# Altium PCB Velotour_2022_V1.0.PcbDoc (part 2 of 3)
Units mil, origin at the board's own origin, x right, y up, seen from the top; angles counter-clockwise.
Board outline 6692.91 x 4763.78 mil, 2 copper layers (Top Layer, Bottom Layer), stack 60.932 mil thick; 156 components, 71 nets, 485 pads, 733 vias.
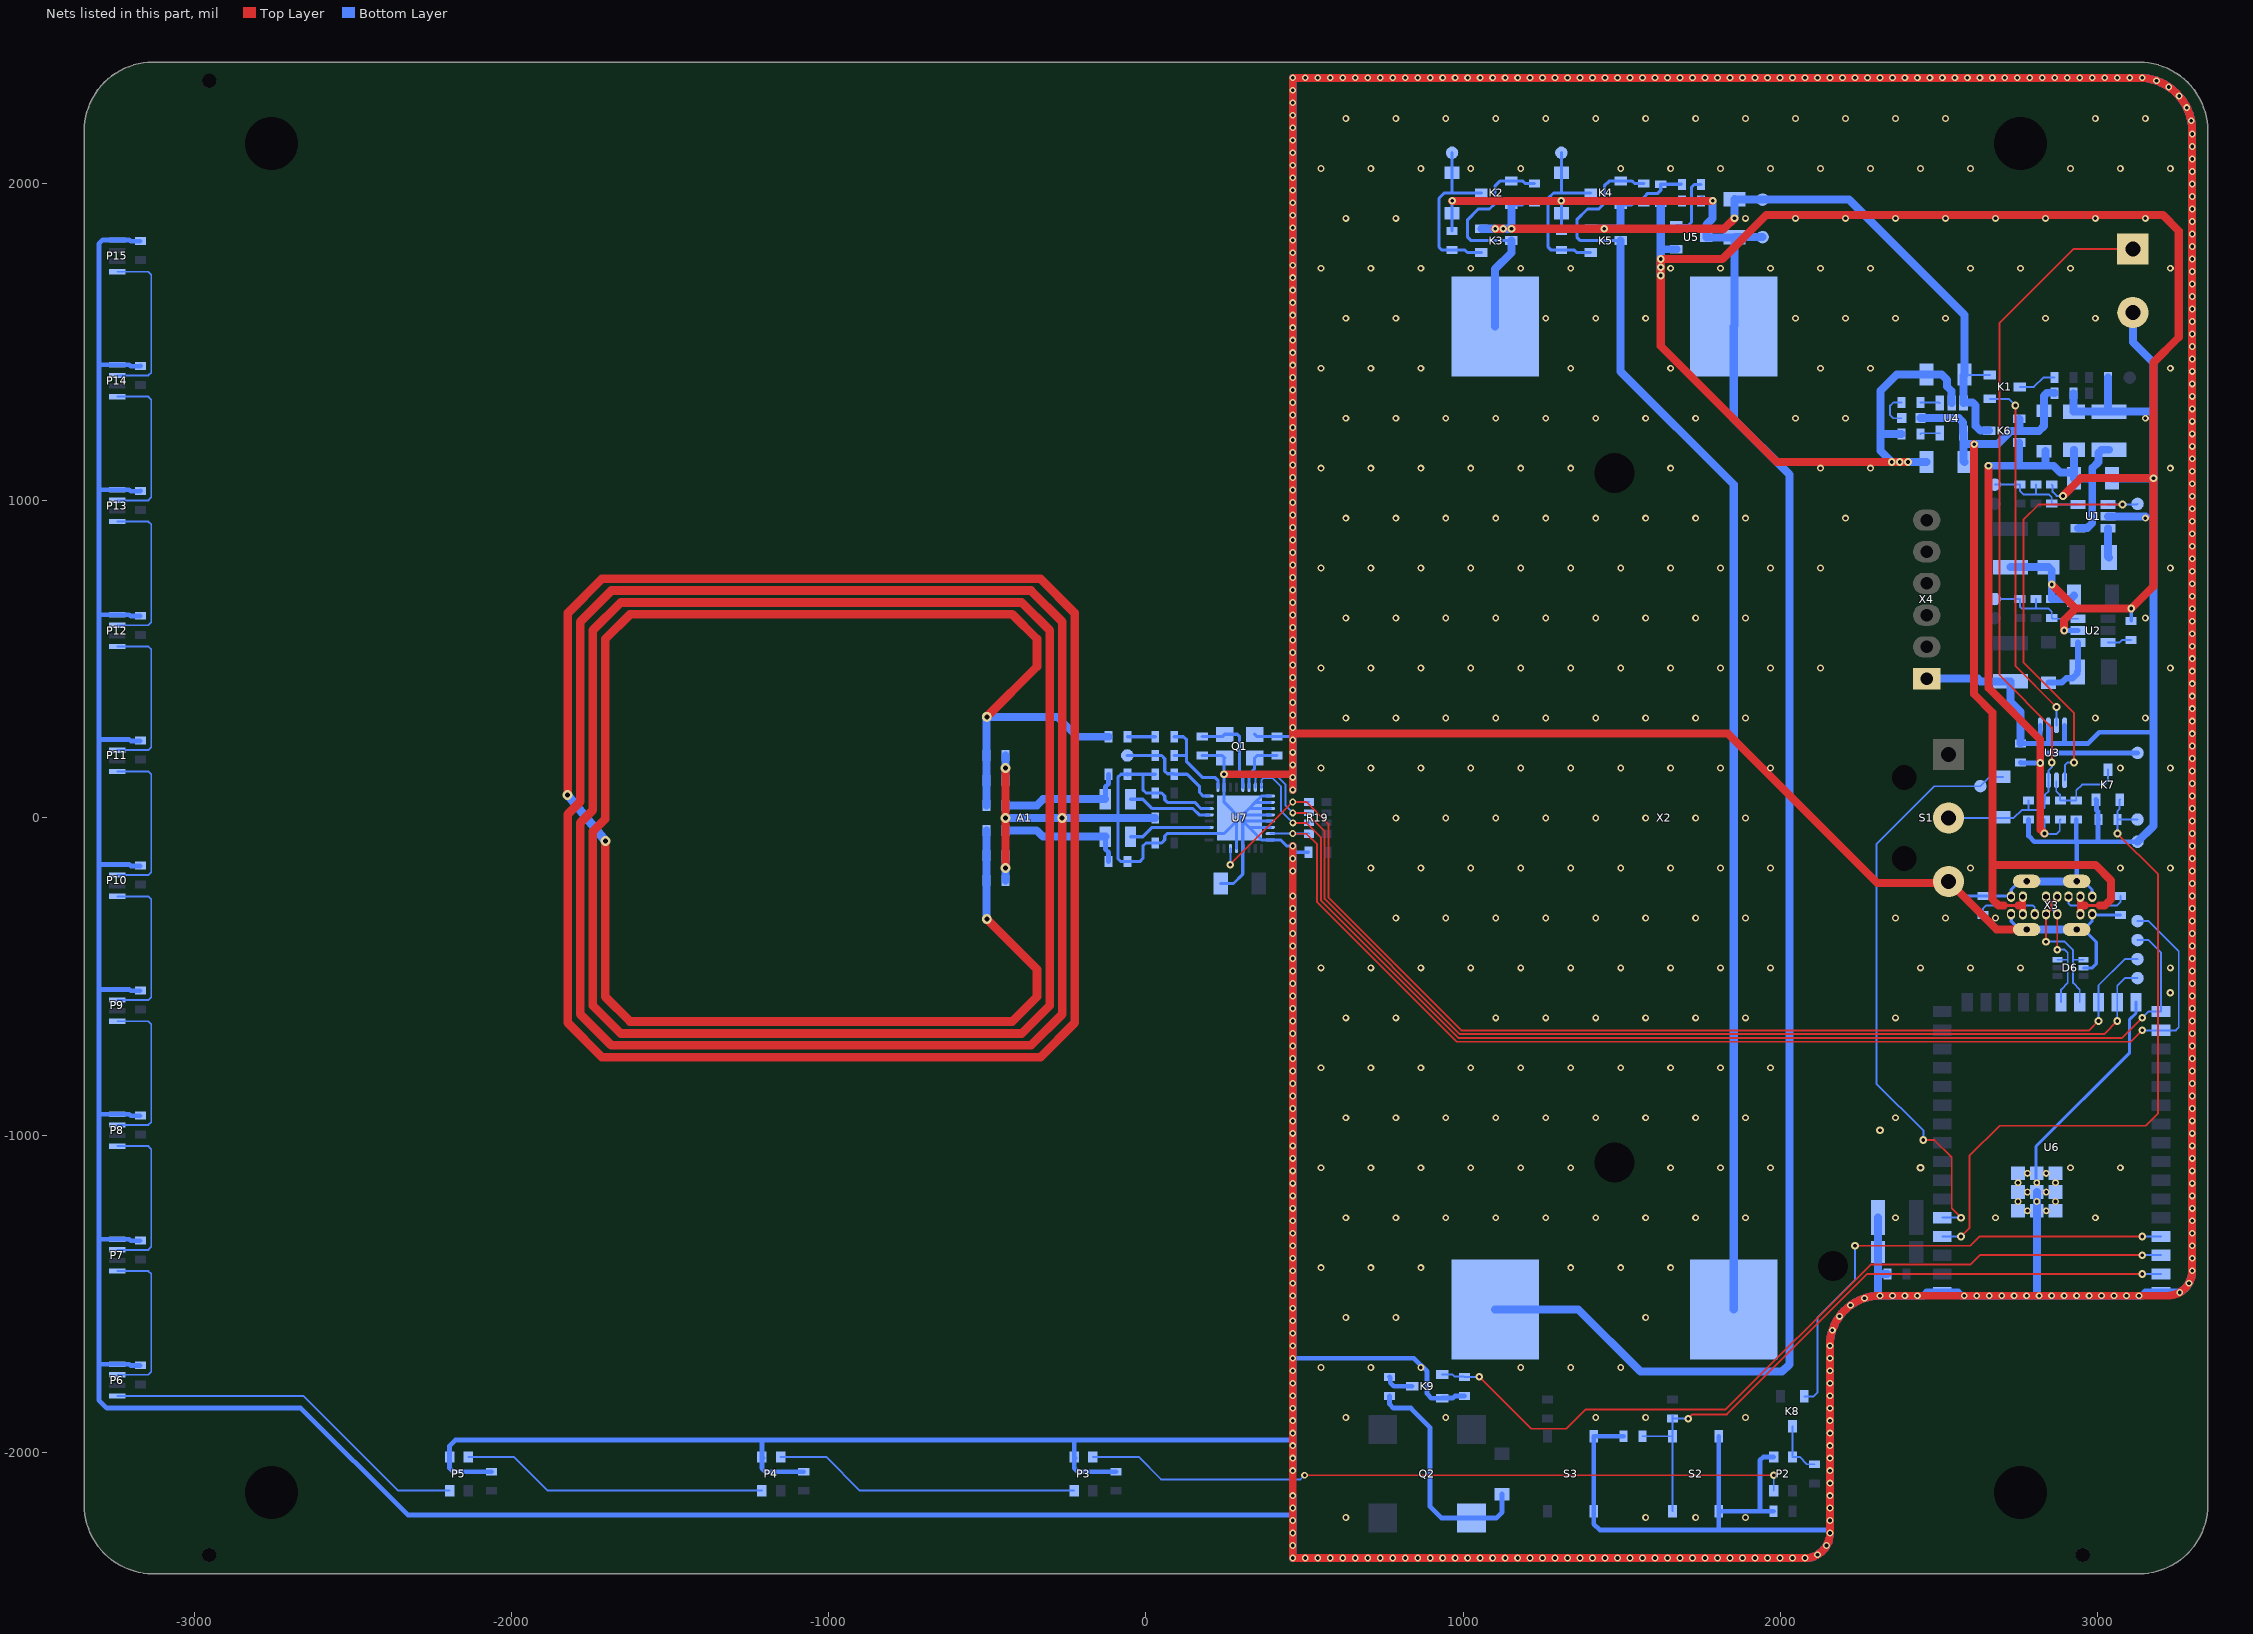
[diagram p2: the nets of this part, all layers, seen from the top]

## Via types
v1: diameter 21.65, hole 11.81, Top Layer to Bottom Layer, tented both sides, 655 vias
v2: diameter 24.41, hole 11.81, Top Layer to Bottom Layer, tented both sides, 73 vias
v3: diameter 31.5, hole 15.75, Top Layer to Bottom Layer, tented both sides, 5 vias

## Nets (pads, with @x,y where several pads share a name; then routed paths per layer and width w, separated by ;. In a path a pad name is that pad's centre, name@x,y a point inside that pad or via, vN(x,y) a via of type N, cw(c..) or ccw(c..) an arc to the next point about the centre after c; other vN are vias at no path point) (continued)
GND: A1.3 C3.1 C4.M C5.1 C6.M C7.1 C8.1 C9.1 C10.1 C11.1 C13.1 C14.1 C15.1 C17.1 C18.M C19.M C20.1 C21.1 C22.1 C23.1 C25.2 C26.2 C27.2 C28.1 C29.1 C30.1 C33.1 C34.1 C35.2 C36.2 C37.1 C38.1 C39.1 C40.1 C41.1 C42.1 C43.1 C44.1 C45.1 C46.1 C47.1 C48.1 C49.1 C50.1 C51.1 C52.1 C53.1 D6.2 K7.S K9.S P2.1 P3.1 P4.1 P5.1 P6.4 P7.4 P8.4 P9.4 P10.4 P11.4 P12.4 P13.4 P14.4 P15.4 Q1.3 R5.1 R6.2 R7.1 R13.1 R16.1 R17.1 R18.1 R24.2 R25.2 R28.1 S1.2 S2.2 S3.2 TP6.1 U1.2 U2.2 U3.1 U3.2 U3.4 U4.2 U5.1 U6.1 U6.26 U6.42 U6.43 U7.4 U7.5 U7.10 U7.14 U7.18 U7.25 U7.26 U7.27 U7.28 U7.29 U7.30 U7.32 U7.PAD X1.2 X3.A1 X3.A12 X3.B1 X3.B12 X3.G1 X3.G2 X3.G3 X3.G4 X4.1 | length 62929.7
  Top Layer w25: v3(-442.44,-157.48) v3(-442.44,157.48) ; v2(246.06,137.8) v1@460,137.8 ; v1(462.6,-88.58) v1(462.6,-127.95) v1(462.6,-167.32) v1(462.6,-246.06) v1(462.6,-285.43) v1(462.6,-324.8) v1(462.6,-364.17) v1(462.6,-403.54) v1(462.6,-442.91) v1(462.6,-482.28) v1(462.6,-521.65) v1(462.6,-561.02) v1(462.6,-600.39) v1(462.6,-639.76) v1(462.6,-679.13) v1(462.6,-718.5) v1(462.6,-757.87) v1(462.6,-797.24) v1(462.6,-836.61) v1(462.6,-875.98) v1(462.6,-915.35) v1(462.6,-954.72) v1(462.6,-994.09) v1(462.6,-1033.46) v1(462.6,-1072.83) v1(462.6,-1112.2) v1(462.6,-1151.57) v1(462.6,-1190.94) v1(462.6,-1230.31) v1(462.6,-1309.05) v1(462.6,-1427.16) v1(462.6,-1505.91) v1(462.6,-1584.65) v1(462.6,-1663.39) v1(462.6,-1781.5) v1(462.6,-1899.61) v1(462.6,-2017.72) v1(462.6,-2175.2) v1(462.6,-2332.68) v1(541.34,-2332.68) v1(659.45,-2332.68) v1(777.56,-2332.68) v1(935.04,-2332.68) v1(1131.89,-2332.68) v1(1171.26,-2332.68) v1(1289.37,-2332.68) v1(1407.48,-2332.68) v1(1564.96,-2332.68) v1(1761.81,-2332.68) v1(1879.92,-2332.68) v1(1998.03,-2332.68) v1(2076.77,-2332.68) ccw(c2076.77,-2253.94) v1(2155.51,-2253.94) v1(2155.51,-2135.83) v1(2155.51,-2057.09) v1(2155.51,-1938.98) v1(2155.51,-1820.87) v1(2155.51,-1781.5) v1(2155.51,-1663.39) cw(c2312.99,-1663.39) v1(2312.99,-1505.91) v1(2696.85,-1505.91) v1(2775.59,-1505.91) v1(2854.33,-1505.91) v1(3051.18,-1505.91) 3218.5,-1505.91 ccw(c3218.5,-1427.17) v1(3297.24,-1427.17) v1(3297.24,-1348.43) v1(3297.24,-1309.06) v1(3297.24,-1151.56) v1(3297.24,-1072.82) v1(3297.24,-994.08) v1(3297.24,-875.97) v1(3297.24,-718.49) v1(3297.24,-600.39) v1(3297.24,-482.27) v1(3297.24,-285.42) v1(3297.24,-127.95) v1(3297.24,-88.58) v1(3297.24,29.53) v1(3297.24,187.01) v1(3297.24,265.75) v1(3297.24,423.23) v1(3297.24,501.97) v1(3297.24,541.34) v1(3297.24,580.71) v1(3297.24,698.82) v1(3297.24,895.67) v1(3297.24,1013.78) v1(3297.24,1131.89) v1(3297.24,1250) v1(3297.24,1368.11) v1(3297.24,1683.07) v1(3297.24,1801.18) v1(3297.24,1840.55) v1(3297.24,1998.03) v1(3297.24,2076.77) v1(3297.24,2155.51) 3297.24,2165.35 ccw(c3129.92,2165.35) 3129.92,2332.68 v1(3021.65,2332.68) v1(2903.54,2332.68) v1(2785.43,2332.68) v1(2746.06,2332.68) v1(2627.95,2332.68) v1(2509.84,2332.68) v1(2470.47,2332.68) v1(2352.36,2332.68) v1(2234.25,2332.68) v1(2194.88,2332.68) v1(2076.77,2332.68) v1(1958.66,2332.68) v1(1840.55,2332.68) v1(1761.81,2332.68) v1(1643.7,2332.68) v1(1525.59,2332.68) v1(1407.48,2332.68) v1(1368.11,2332.68) v1(1171.26,2332.68) v1(1053.15,2332.68) v1(1013.78,2332.68) v1(974.41,2332.68) v1(777.56,2332.68) v1(698.82,2332.68) v1(580.71,2332.68) v1(462.6,2332.68) v1(462.6,2175.2) v1(462.6,2135.83) v1(462.6,2017.72) v1(462.6,1938.98) v1(462.6,1860.24) v1(462.6,1742.13) v1(462.6,1624.02) v1(462.6,1505.91) v1(462.6,1387.8) v1(462.6,1269.69) v1(462.6,1151.58) v1(462.6,1112.21) v1(462.6,1072.84) v1(462.6,1033.47) v1(462.6,994.1) v1(462.6,954.73) v1(462.6,915.36) v1(462.6,875.99) v1(462.6,836.62) v1(462.6,797.25) v1(462.6,757.88) v1(462.6,718.51) v1(462.6,679.14) v1(462.6,639.77) v1(462.6,600.4) v1(462.6,561.03) v1(462.6,521.66) v1(462.6,482.28) v1(462.6,442.91) v1(462.6,403.54) v1(462.6,364.17) v1(462.6,324.8) v1(462.6,285.43) 462.6,265.75 ; v1(462.6,88.58) v1(462.6,127.95) v1(462.6,167.32) v1(462.6,206.69) v1(462.6,246.06) 462.6,265.75 ; S1.2@2529.53,-200 S1.2@2534.53,-205 ; S1.2@2545,-200 2540,-205 S1.2@2534.53,-205 ; X3.G4@2775.59,-351.57 2681.1,-351.57 S1.2@2534.53,-205 ; v2(2854.72,735.47) 2930.2,660 ; v2(2890,1015) 2945.87,1070.87 v2(3175,1070.87) 3175,730 v2(3105,660) 2930.2,660 ; v2(2893.7,590.55) 2893.7,623.5 2930.2,660 ; 462.6,265.75 1834.25,265.75 2305,-205 S1.2@2534.53,-205
  Top Layer w25.59: v2(2401.57,1122.05) 1987.95,1122.05 1622.44,1487.56 v2(1622.44,1710) v2(1622.44,1735.71) v2(1622.44,1761.42) 1816.42,1761.42 1955,1900 3205,1900 3255,1850 3255,1515 3175,1435 v2(3175,1070.87)
  Bottom Layer w6: R5.1@2854.72,1050.47 2857.51,1047.68 2857.51,1027.49 2870,1015 v2(2890,1015)
  Bottom Layer w9.84: -9.84,137.8 -9.84,88.58 0,78.74 C39.1@29.06,78.74 49.21,78.74 59.06,68.9 59.06,57.09 67.21,48.94 153.82,48.94 173.23,29.53 U7.14@198.82,29.53 ; C34.1@29.06,137.79 C28.1@-58.58,137.8 -78.74,137.8 -88.58,127.95 -88.58,0 -88.58,-127.95 -78.74,-137.8 C25.2@-58.58,-137.8 -19.69,-137.8 -9.84,-127.95 -9.84,-88.58 0,-78.74 C22.1@29.06,-78.74 49.21,-78.74 59.05,-68.9 59.05,-57.09 66.93,-49.21 U7.10@198.82,-49.21 246.06,-49.21 U7.PAD@285.43,-9.84 ; C36.2@177.16,196.38 240.63,196.38 Q1.3@248.03,188.98 246.06,187.01 v2(246.06,137.8) U7.18@246.06,96.46 246.06,49.21 U7.PAD@295.28,0 ; C23.1@235.55,-206.42 275.87,-206.42 305.12,-177.17 U7.4@305.12,-96.46 U7.PAD@305.12,-9.84 ; U7.5@285.43,-96.46 U7.PAD@285.43,-9.84 ; Q1.3@342.52,263.78 349.92,256.38 C35.2@413.39,256.38 456.22,256.38 ; U7.30@391.73,-29.53 U7.PAD@324.8,-29.53 ; U7.29@391.73,-9.84 314.96,-9.84 U7.PAD@300.2,4.92 ; U7.28@391.73,9.84 U7.PAD@305.12,9.84 ; U7.27@391.73,29.53 U7.PAD@324.8,29.53 ; U7.26@391.73,49.21 U7.PAD@344.49,49.21 ; U7.25@391.73,68.9 364.17,68.9 U7.PAD@344.49,49.21 ; 462.6,-107.99 C38.1@511.62,-107.99 ; v1(462.6,-88.58) 443.58,-88.58 423.9,-68.9 U7.32@391.73,-68.9 364.17,-68.9 U7.PAD@324.8,-29.53 ; U7.PAD@285.43,-9.84 U7.PAD@295.28,0 ; U7.PAD@295.28,0 U7.PAD@305.12,-9.84 ; U7.PAD@295.28,0 U7.PAD@300.2,4.92 ; U7.PAD@300.2,4.92 U7.PAD@305.12,9.84 ; U7.PAD@305.12,-9.84 U7.PAD@324.8,-29.53 ; U7.PAD@305.12,9.84 U7.PAD@324.8,29.53 ; U7.PAD@324.8,29.53 U7.PAD@344.49,49.21
  Bottom Layer w10: S1.2@2529.53,-200 2575.12,-245.59 R24.2@2637.8,-245.59 2638.27,-246.06 2724.41,-246.06 X3.A12@2726.38,-248.03 ; X3.B1@2727.17,-303.95 2727.17,-325.6 X3.G4@2753.15,-351.57 ; X3.A12@2727.17,-247.24 2727.17,-225.58 X3.G2@2753.15,-199.61 ; U6.43@2807.48,-1149.61 2805.25,-1147.38 2805.25,-1139.14 2805,-1138.89 2805,-1035 3100,-740 3100,-635 3120,-615 3120,-580.79 U6.26@3120.08,-580.71 ; X3.G3@2933.07,-351.57 X3.G3@2955.51,-351.57 ; D6.2@2954.72,-472.45 2982.55,-472.45 2995,-460 2995,-391.06 X3.G3@2955.51,-351.57 ; X3.G1@2955.51,-199.61 2981.49,-225.58 X3.A1@2981.49,-247.24 ; X3.B12@2982.28,-303.15 2981.49,-303.95 2981.49,-325.6 X3.G3@2955.51,-351.57 ; X3.B12@2984.25,-306.06 R25.2@3070.39,-306.06 ; R6.2@3104.72,620.47 3105,620.75 v2(3105,660)
  Bottom Layer w15: C44.1@-3170.28,-1725.91 -3200,-1725.91 -3204.45,-1721.46 P6.4@-3242.13,-1721.46 -3300,-1721.46 ; C45.1@-3170.28,-1332.2 -3200,-1332.2 -3204.45,-1327.76 P7.4@-3242.13,-1327.76 -3300,-1327.76 ; C46.1@-3170.28,-938.5 -3200,-938.5 -3204.45,-934.06 -3300,-934.06 ; C47.1@-3170.28,-544.8 -3200,-544.8 -3204.45,-540.35 P9.4@-3242.13,-540.35 -3300,-540.35 ; C48.1@-3170.28,-151.1 -3200,-151.1 -3204.45,-146.65 P10.4@-3242.13,-146.65 -3300,-146.65 ; C49.1@-3170.28,242.6 -3200,242.6 -3204.45,247.05 -3300,247.05 ; C50.1@-3170.28,636.3 -3200,636.3 -3204.45,640.75 P12.4@-3242.13,640.75 -3300,640.75 ; C53.1@-3170.28,1817.4 -3200,1817.4 -3204.45,1821.85 P15.4@-3242.13,1821.85 -3288.15,1821.85 -3300,1810 -3300,1428.15 ; C51.1@-3169.29,1030.98 -3170.28,1030 -3200,1030 -3204.45,1034.45 P13.4@-3242.13,1034.45 -3300,1034.45 ; C52.1@-3169.29,1424.68 -3170.28,1423.7 -3200,1423.7 -3204.45,1428.15 P14.4@-3242.13,1428.15 -3300,1428.15 ; C43.1@-2062.99,-2060.55 -2183.54,-2060.55 -2194.88,-2049.21 -2194.88,-1978.35 -2177.17,-1960.63 -1210.63,-1960.63 ; P4.1@-1206.96,-2017.45 P4.1@-1210.63,-2013.78 ; C42.1@-1078.74,-2060.55 -1199.29,-2060.55 -1210.63,-2049.21 P4.1@-1210.63,-2013.78 ; P3.1@-222.7,-2017.45 P3.1@-226.38,-2013.78 ; C41.1@-94.49,-2060.55 -215.04,-2060.55 -226.38,-2049.21 P3.1@-226.38,-2013.78 ; 460.62,-2196.85 -2326.77,-2196.85 -2663.62,-1860 -3275,-1860 -3300,-1835 -3300,-1721.46 ; 462.59,-1958.66 460.62,-1960.63 -226.38,-1960.63 ; v1(462.6,-1702.76) 844.49,-1702.76 885.83,-1744.09 885.83,-1814.96 899.61,-1828.74 K9.S@933.07,-1828.74 933.28,-1828.53 966.47,-1828.53 972.89,-1822.11 1003.16,-1822.11 R28.1@1003.94,-1821.34 ; C33.1@1505.43,-1948.82 1485.75,-1948.82 S3.2@1411.42,-1948.82 S3.2@1411.42,-2185.04 1411.42,-2225.79 1429.72,-2244.09 1805.12,-2244.09 ; S2.2@1805.12,-1948.82 S2.2@1805.12,-2185.04 ; C40.1@1977.87,-2185.04 1935,-2185.04 ; P2.1@1978.35,-2013.78 1946.22,-2013.78 1935,-2025 1935,-2185.04 ; 2145.67,-2244.09 1805.12,-2244.09 ; C7.1@2755.9,234.72 2818.9,234.72 ; C13.1@2781.73,-4.65 2781.73,-56.73 2800,-75 2935,-75 ; U3.1@2818.42,291.97 2818.42,235.2 2818.9,234.72 ; U3.2@2844.02,291.97 2844.02,236.22 2842.52,234.72 ; v2(2893.7,590.55) 2893.78,590.47 U2.2@2937.48,590.47 ; U3.4@2895.2,291.97 2895.2,234.72 ; C14.1@2931.73,-4.65 2931.73,-71.73 2935,-75 ; X3.G1@2933.07,-199.61 2933.07,-76.93 2935,-75 ; K7.S@2994.33,58.11 2995.29,57.15 2995.29,24.71 3000,20 3000,-2.91 R16.1@3001.73,-4.65 3000,-6.38 3000,-75 ; TP6.1@3125,-75 3000,-75 ; 3180,270 3175,270 3005,270 2969.72,234.72 2895.2,234.72 ; -3300,-1721.46 -3300,-1327.76 ; -3300,-1327.76 -3300,-934.06 ; -3300,-934.06 -3300,-540.35 ; -3300,-540.35 -3300,-146.65 ; -3300,-146.65 -3300,247.05 ; -3300,247.05 -3300,640.75 ; -3300,640.75 -3300,1034.45 ; -3300,1034.45 -3300,1428.15 ; P4.1@-1210.63,-2013.78 -1210.63,-1960.63 ; -1210.63,-1960.63 -226.38,-1960.63 ; P3.1@-226.38,-2013.78 -226.38,-1960.63 ; 1805.12,-2244.09 S2.2@1805.12,-2185.04 ; S2.2@1805.12,-2185.04 1935,-2185.04 ; 2818.9,234.72 2842.52,234.72 ; 2842.52,234.72 2895.2,234.72 ; 2935,-75 3000,-75
  Bottom Layer w25: v3(-442.91,0) A1.3@-264.06,0 -88.58,0 C37.1@29.06,0 ; C27.2@-442.44,-196.85 v3(-442.44,-157.48) C26.2@-442.44,-118.11 ; C29.1@-442.44,118.11 v3(-442.44,157.48) C30.1@-442.44,196.85 ; v1(462.6,-2135.83) v1(462.6,-2175.2) 462.59,-2196.85 v1(462.6,-2214.57) v1(462.6,-2253.94) v1(462.6,-2293.31) v1(462.6,-2332.68) v1(501.97,-2332.68) v1(541.34,-2332.68) v1(580.71,-2332.68) v1(620.08,-2332.68) v1(659.45,-2332.68) v1(698.82,-2332.68) v1(738.19,-2332.68) v1(777.56,-2332.68) v1(816.93,-2332.68) v1(856.3,-2332.68) v1(895.67,-2332.68) v1(935.04,-2332.68) v1(974.41,-2332.68) v1(1013.78,-2332.68) v1(1053.15,-2332.68) v1(1092.52,-2332.68) v1(1131.89,-2332.68) v1(1171.26,-2332.68) v1(1210.63,-2332.68) v1(1250,-2332.68) v1(1289.37,-2332.68) v1(1328.74,-2332.68) v1(1368.11,-2332.68) v1(1407.48,-2332.68) v1(1446.85,-2332.68) v1(1486.22,-2332.68) v1(1525.59,-2332.68) v1(1564.96,-2332.68) v1(1604.33,-2332.68) v1(1643.7,-2332.68) v1(1683.07,-2332.68) v1(1722.44,-2332.68) v1(1761.81,-2332.68) v1(1801.18,-2332.68) v1(1840.55,-2332.68) v1(1879.92,-2332.68) v1(1919.29,-2332.68) v1(1958.66,-2332.68) v1(1998.03,-2332.68) v1(2037.4,-2332.68) v1(2076.77,-2332.68) ; v1(462.6,-2057.09) v1(462.6,-2017.72) v1(462.6,-1978.35) 462.59,-1958.66 v1(462.6,-1938.98) v1(462.6,-1899.61) v1(462.6,-1860.24) v1(462.6,-1820.87) v1(462.6,-1781.5) v1(462.6,-1742.13) v1(462.6,-1702.76) v1(462.6,-1663.39) v1(462.6,-1624.02) v1(462.6,-1584.65) v1(462.6,-1545.28) v1(462.6,-1505.91) v1(462.6,-1466.54) v1(462.6,-1427.16) v1(462.6,-1387.79) v1(462.6,-1348.42) v1(462.6,-1309.05) v1(462.6,-1269.68) v1(462.6,-1230.31) v1(462.6,-1190.94) v1(462.6,-1151.57) v1(462.6,-1112.2) v1(462.6,-1072.83) v1(462.6,-1033.46) v1(462.6,-994.09) v1(462.6,-954.72) v1(462.6,-915.35) v1(462.6,-875.98) v1(462.6,-836.61) v1(462.6,-797.24) v1(462.6,-757.87) v1(462.6,-718.5) v1(462.6,-679.13) v1(462.6,-639.76) v1(462.6,-600.39) v1(462.6,-561.02) v1(462.6,-521.65) v1(462.6,-482.28) v1(462.6,-442.91) v1(462.6,-403.54) v1(462.6,-364.17) v1(462.6,-324.8) v1(462.6,-285.43) v1(462.6,-246.06) ; v1(462.6,-167.32) v1(462.6,-127.95) 462.6,-107.99 v1(462.6,-88.58) ; v1(462.6,88.58) v1(462.6,127.95) v1(462.6,167.32) v1(462.6,206.69) v1(462.6,246.06) v1(462.6,285.43) v1(462.6,324.8) v1(462.6,364.17) v1(462.6,403.54) v1(462.6,442.91) v1(462.6,482.28) v1(462.6,521.66) v1(462.6,561.03) v1(462.6,600.4) v1(462.6,639.77) v1(462.6,679.14) v1(462.6,718.51) v1(462.6,757.88) v1(462.6,797.25) v1(462.6,836.62) v1(462.6,875.99) v1(462.6,915.36) v1(462.6,954.73) v1(462.6,994.1) v1(462.6,1033.47) v1(462.6,1072.84) v1(462.6,1112.21) v1(462.6,1151.58) v1(462.6,1190.95) v1(462.6,1230.32) v1(462.6,1269.69) v1(462.6,1309.06) v1(462.6,1348.43) v1(462.6,1387.8) v1(462.6,1427.17) v1(462.6,1466.54) v1(462.6,1505.91) v1(462.6,1545.28) v1(462.6,1584.65) v1(462.6,1624.02) v1(462.6,1663.39) v1(462.6,1702.76) v1(462.6,1742.13) v1(462.6,1781.5) v1(462.6,1820.87) v1(462.6,1860.24) v1(462.6,1899.61) v1(462.6,1938.98) v1(462.6,1978.35) v1(462.6,2017.72) v1(462.6,2057.09) v1(462.6,2096.46) v1(462.6,2135.83) v1(462.6,2175.2) v1(462.6,2214.57) v1(462.6,2253.94) v1(462.6,2293.31) v1(462.6,2332.68) v1(501.97,2332.68) v1(541.34,2332.68) v1(580.71,2332.68) v1(620.08,2332.68) v1(659.45,2332.68) v1(698.82,2332.68) v1(738.19,2332.68) v1(777.56,2332.68) v1(816.93,2332.68) v1(856.3,2332.68) v1(895.67,2332.68) v1(935.04,2332.68) v1(974.41,2332.68) v1(1013.78,2332.68) v1(1053.15,2332.68) v1(1092.52,2332.68) v1(1131.89,2332.68) v1(1171.26,2332.68) v1(1210.63,2332.68) v1(1250,2332.68) v1(1289.37,2332.68) v1(1328.74,2332.68) v1(1368.11,2332.68) v1(1407.48,2332.68) v1(1446.85,2332.68) v1(1486.22,2332.68) v1(1525.59,2332.68) v1(1564.96,2332.68) v1(1604.33,2332.68) v1(1643.7,2332.68) v1(1683.07,2332.68) v1(1722.44,2332.68) v1(1761.81,2332.68) v1(1801.18,2332.68) v1(1840.55,2332.68) v1(1879.92,2332.68) v1(1919.29,2332.68) v1(1958.66,2332.68) v1(1998.03,2332.68) v1(2037.4,2332.68) v1(2076.77,2332.68) v1(2116.14,2332.68) v1(2155.51,2332.68) v1(2194.88,2332.68) v1(2234.25,2332.68) v1(2273.62,2332.68) v1(2312.99,2332.68) v1(2352.36,2332.68) v1(2391.73,2332.68) v1(2431.1,2332.68) v1(2470.47,2332.68) v1(2509.84,2332.68) v1(2549.21,2332.68) v1(2588.58,2332.68) v1(2627.95,2332.68) v1(2667.32,2332.68) v1(2706.69,2332.68) v1(2746.06,2332.68) v1(2785.43,2332.68) v1(2824.8,2332.68) v1(2864.17,2332.68) v1(2903.54,2332.68) v1(2942.91,2332.68) v1(2982.28,2332.68) v1(3021.65,2332.68) v1(3061.02,2332.68) v1(3100.39,2332.68) 3129.92,2332.68 cw(c3129.92,2165.35) 3297.24,2165.35 v1(3297.24,2155.51) v1(3297.24,2116.14) v1(3297.24,2076.77) v1(3297.24,1919.29) v1(3297.24,1879.92) v1(3297.24,1604.33) v1(3297.24,1368.11) v1(3297.24,1289.37) v1(3297.24,1250) v1(3297.24,1092.52) v1(3297.24,1013.78) v1(3297.24,895.67) v1(3297.24,816.93) v1(3297.24,698.82) v1(3297.24,501.97) v1(3297.24,344.49) v1(3297.24,305.12) v1(3297.24,29.53) v1(3297.24,-167.32) v1(3297.24,-324.79) v1(3297.24,-521.64) v1(3297.24,-561.01) v1(3297.24,-600.39) v1(3297.24,-639.75) v1(3297.24,-679.12) v1(3297.24,-718.49) v1(3297.24,-757.86) v1(3297.24,-797.23) v1(3297.24,-836.6) v1(3297.24,-875.97) v1(3297.24,-915.34) v1(3297.24,-954.71) v1(3297.24,-994.08) v1(3297.24,-1033.45) v1(3297.24,-1072.82) v1(3297.24,-1112.19) v1(3297.24,-1151.56) v1(3297.24,-1190.93) v1(3297.24,-1230.3) v1(3297.24,-1269.67) v1(3297.24,-1309.06) v1(3297.24,-1348.43) v1(3297.24,-1387.8) v1(3297.24,-1427.17) cw(c3218.5,-1427.17) v1(3257.87,-1495.36) 3199.53,-1495.36 U6.42@3198.82,-1496.06 3149.61,-1496.06 3139.77,-1505.91 3120.08,-1505.91 v1(3090.55,-1505.91) v1(3051.18,-1505.91) v1(3011.81,-1505.91) v1(2972.44,-1505.91) v1(2933.07,-1505.91) v1(2893.7,-1505.91) v1(2854.33,-1505.91) v1(2814.96,-1505.91) v1@2807.48,-1505.91 ; 1622.44,1790 1624.73,1792.28 U5.1@1671.5,1792.28 ; v1(2076.77,-2332.68) ccw(c2076.77,-2253.94) v1(2155.51,-2253.94) v1(2155.51,-2214.57) v1(2155.51,-2175.2) v1(2155.51,-2135.83) v1(2155.51,-2096.46) v1(2155.51,-2057.09) v1(2155.51,-2017.72) v1(2155.51,-1978.35) v1(2155.51,-1938.98) v1(2155.51,-1899.61) v1(2155.51,-1860.24) v1(2155.51,-1820.87) v1(2155.51,-1781.5) v1(2155.51,-1742.13) v1(2155.51,-1702.76) v1(2155.51,-1663.39) cw(c2312.99,-1663.39) v1(2312.99,-1505.91) v1(2352.36,-1505.91) v1(2391.73,-1505.91) v1(2431.1,-1505.91) 2450.79,-1505.91 2460.63,-1496.06 U6.1@2509.84,-1496.06 2559.05,-1496.06 2568.89,-1505.91 v1(2578.74,-1505.91) v1(2618.11,-1505.91) v1(2657.48,-1505.91) v1(2696.85,-1505.91) v1(2736.22,-1505.91) v1(2775.59,-1505.91) v1@2807.48,-1505.91 ; 2307.2,-1496.06 C19.M@2307.2,-1259.84 ; 2307.21,-1437.01 C21.1@2336.73,-1437.01 ; R13.1@2381.42,1210.63 2318.74,1210.63 2315,1214.37 ; C9.1@2459.69,1122.05 v2(2401.57,1122.05) v2(2375.87,1122.05) v2(2350.16,1122.05) 2315,1157.2 2315,1214.37 ; X4.1@2460.63,438.98 2622.05,438.98 2630.55,430.47 C6.M@2724.72,430.47 2724.72,365.83 2755.9,334.65 C7.1@2755.9,234.72 ; U4.2@2539.37,1307.09 2538.11,1308.35 2538.11,1346.26 2525,1359.37 2525,1380.51 2507.87,1397.64 C10.1@2459.69,1397.64 2366.14,1397.64 2315,1346.5 2315,1214.37 ; C4.M@2724.72,790.47 C3.1@2844.72,790.47 2854.72,780.47 v2(2854.72,735.47) R7.1@2854.72,690.47 2914.72,690.47 C5.1@2924.72,700.47 ; X3.G4@2775.59,-351.57 X3.G3@2933.07,-351.57 ; X3.G2@2775.59,-199.61 X3.G1@2933.07,-199.61 ; U6.43@2807.48,-1179.13 U6.43@2807.48,-1208.66 U6.43@2807.48,-1238.19 v1@2807.48,-1505.91 ; R18.1@2923.7,1338.58 2923.7,1281.5 C17.1@2924.72,1280.47 C18.M@3034.72,1280.47 ; U1.2@3031.97,950.47 v1@3150.47,950.47 ; C15.1@3031.97,1387.8 R17.1@3031.97,1338.58 3031.97,1283.23 C18.M@3034.72,1280.47 ; C8.1@3044.72,1070.47 3174.53,1070.47 v2@3175,1070 ; X1.2@3110.24,1592.91 3110.24,1499.76 3175,1435 3175,1280 ; TP6.1@3125,-75 3175,-25 3175,270 v2@3175,1070 ; C18.M@3034.72,1280.47 3174.53,1280.47 3175,1280 ; v2@3175,1070 v2(3175,1070.87) 3175,1280
  Bottom Layer w25.59: v2(1622.44,1710) v2(1622.44,1735.71) v2(1622.44,1761.42) 1622.44,1790 C11.1@1622.44,1933.07
  other v1: 2116.14,-2322.13 2144.96,-2293.31 629.92,-2204.72 1574.8,-2204.72 1732.28,-2204.72 1889.76,-2204.72 629.92,-1889.76 944.88,-1889.76 1417.32,-1889.76 1574.8,-1889.76 1889.76,-1889.76 551.18,-1732.28 708.66,-1732.28 866.14,-1732.28 1181.1,-1732.28 1338.58,-1732.28 1496.06,-1732.28 2163.22,-1614.72 629.92,-1574.8 787.4,-1574.8 1574.8,-1574.8 2185.59,-1570.82 2220.43,-1535.98 2264.33,-1513.61 3129.92,-1505.91 3287.4,-1466.54 551.18,-1417.32 708.66,-1417.32 866.14,-1417.32 1338.58,-1417.32 1496.06,-1417.32 1653.54,-1417.32 629.92,-1259.84 787.4,-1259.84 944.88,-1259.84 1102.36,-1259.84 1259.84,-1259.84 1417.32,-1259.84 1574.8,-1259.84 1732.28,-1259.84 1889.76,-1259.84 2362.2,-1259.84 2677.16,-1259.84 2992.12,-1259.84 551.18,-1102.36 708.66,-1102.36 866.14,-1102.36 1023.62,-1102.36 1181.1,-1102.36 1338.58,-1102.36 1653.54,-1102.36 1811.02,-1102.36 1968.5,-1102.36 2913.38,-1102.36 3070.87,-1102.36 629.92,-944.88 787.4,-944.88 944.88,-944.88 1102.36,-944.88 1259.84,-944.88 1417.32,-944.88 1574.8,-944.88 1732.28,-944.88 1889.76,-944.88 2362.2,-944.88 551.18,-787.4 708.66,-787.4 866.14,-787.4 1023.62,-787.4 1181.1,-787.4 1338.58,-787.4 1496.06,-787.4 1653.54,-787.4 1811.02,-787.4 1968.5,-787.4 629.92,-629.92 787.4,-629.92 1102.36,-629.92 1259.84,-629.92 1417.32,-629.92 1574.8,-629.92 1732.28,-629.92 1889.76,-629.92 2362.2,-629.92 551.18,-472.44 708.66,-472.44 866.14,-472.44 1023.62,-472.44 1181.1,-472.44 1338.58,-472.44 1496.06,-472.44 1653.54,-472.44 1811.02,-472.44 1968.5,-472.44 2440.94,-472.44 2598.42,-472.44 2755.9,-472.44 3228.35,-472.44 3297.24,-442.9 3297.24,-403.54 3297.24,-364.16 787.4,-314.96 944.88,-314.96 1102.36,-314.96 1259.84,-314.96 1417.32,-314.96 1574.8,-314.96 1732.28,-314.96 1889.76,-314.96 2362.2,-314.96 2519.68,-314.96 2677.16,-314.96 3297.24,-246.06 3297.24,-206.69 708.66,-157.48 866.14,-157.48 1023.62,-157.48 1181.1,-157.48 1338.58,-157.48 1496.06,-157.48 1653.54,-157.48 1811.02,-157.48 1968.5,-157.48 2598.42,-157.48 3070.87,-157.48 3228.35,-157.48 3297.24,-49.21 3297.24,-9.84 787.4,0 944.88,0 1102.36,0 1259.84,0 1417.32,0 1574.8,0 1732.28,0 1889.76,0 3297.24,68.9 3297.24,108.27 3297.24,147.64 551.18,157.48 708.66,157.48 866.14,157.48 1023.62,157.48 1181.1,157.48 1338.58,157.48 1496.06,157.48 1653.54,157.48 1811.02,157.48 1968.5,157.48 3070.87,157.48 3228.35,157.48 3297.24,226.38 629.92,314.96 787.4,314.96 944.88,314.96 1102.36,314.96 1259.84,314.96 1417.32,314.96 1574.8,314.96 1732.28,314.96 1889.76,314.96 2992.12,314.96 3149.61,314.96 3297.24,383.86 3297.24,462.6 551.18,472.44 708.66,472.44 866.14,472.44 1023.62,472.44 1181.1,472.44 1338.58,472.44 1496.06,472.44 1653.54,472.44 1811.02,472.44 1968.5,472.44 2125.98,472.44 3228.35,472.44 3297.24,620.08 629.92,629.92 787.4,629.92 944.88,629.92 1102.36,629.92 1259.84,629.92 1417.32,629.92 1574.8,629.92 1732.28,629.92 1889.76,629.92 3149.61,629.92 3297.24,659.45 3297.24,738.19 3297.24,777.56 551.18,787.4 708.66,787.4 866.14,787.4 1023.62,787.4 1181.1,787.4 1338.58,787.4 1496.06,787.4 1653.54,787.4 1811.02,787.4 1968.5,787.4 2125.98,787.4 3228.35,787.4 3297.24,856.3 3297.24,935.04 629.92,944.88 787.4,944.88 944.88,944.88 1102.36,944.88 1259.84,944.88 1417.32,944.88 1574.8,944.88 1732.28,944.88 1889.76,944.88 2204.72,944.88 3149.61,944.88 3297.24,974.41 3297.24,1053.15 551.18,1102.36 708.66,1102.36 866.14,1102.36 1023.62,1102.36 1181.1,1102.36 1338.58,1102.36 1653.54,1102.36 2125.98,1102.36 2283.46,1102.36 3228.35,1102.36 3297.24,1171.26 3297.24,1210.63 629.92,1259.84 787.4,1259.84 944.88,1259.84 1102.36,1259.84 1259.84,1259.84 1417.32,1259.84 1574.8,1259.84 1732.28,1259.84 2047.24,1259.84 2204.72,1259.84 3149.61,1259.84 3297.24,1328.74 3297.24,1407.48 551.18,1417.32 708.66,1417.32 866.14,1417.32 1338.58,1417.32 1653.54,1417.32 2125.98,1417.32 2283.46,1417.32 3228.35,1417.32 3297.24,1446.85 3297.24,1486.22 3297.24,1525.59 3297.24,1564.96 629.92,1574.8 787.4,1574.8 1259.84,1574.8 1417.32,1574.8 1574.8,1574.8 2047.24,1574.8 2204.72,1574.8 2362.2,1574.8 2519.68,1574.8 2834.64,1574.8 2992.12,1574.8 3297.24,1643.7 3297.24,1722.44 551.18,1732.28 708.66,1732.28 866.14,1732.28 1023.62,1732.28 1181.1,1732.28 1338.58,1732.28 1653.54,1732.28 1811.02,1732.28 1968.5,1732.28 2125.98,1732.28 2283.46,1732.28 2598.42,1732.28 2755.9,1732.28 2913.38,1732.28 3228.35,1732.28 3297.24,1761.81 629.92,1889.76 787.4,1889.76 1889.76,1889.76 2047.24,1889.76 2204.72,1889.76 2362.2,1889.76 2519.68,1889.76 2677.16,1889.76 2834.64,1889.76 2992.12,1889.76 3149.61,1889.76 3297.24,1958.66 3297.24,2037.4 551.18,2047.24 708.66,2047.24 866.14,2047.24 1023.62,2047.24 1181.1,2047.24 1496.06,2047.24 1653.54,2047.24 1811.02,2047.24 1968.5,2047.24 2125.98,2047.24 2283.46,2047.24 2440.94,2047.24 2598.42,2047.24 2913.38,2047.24 3070.87,2047.24 3228.35,2047.24 3294.17,2197.28 629.92,2204.72 787.4,2204.72 944.88,2204.72 1102.36,2204.72 1259.84,2204.72 1417.32,2204.72 1574.8,2204.72 1732.28,2204.72 1889.76,2204.72 2047.24,2204.72 2204.72,2204.72 2362.2,2204.72 2519.68,2204.72 2992.12,2204.72 3149.61,2204.72 3280.31,2238.7 3256.2,2275.13 3223.49,2304.07 3184.4,2323.56 3139.76,2332.68